# Altium PCB openservo_tessellated.PcbDoc (part 11 of 13)
Units mm, origin at the board's own origin, x right, y up, seen from the top; angles counter-clockwise.
Board outline 225 x 202.5 mm, 2 copper layers (Top Layer, Bottom Layer); 1250 components, 19 nets, 5300 pads, 1100 vias.
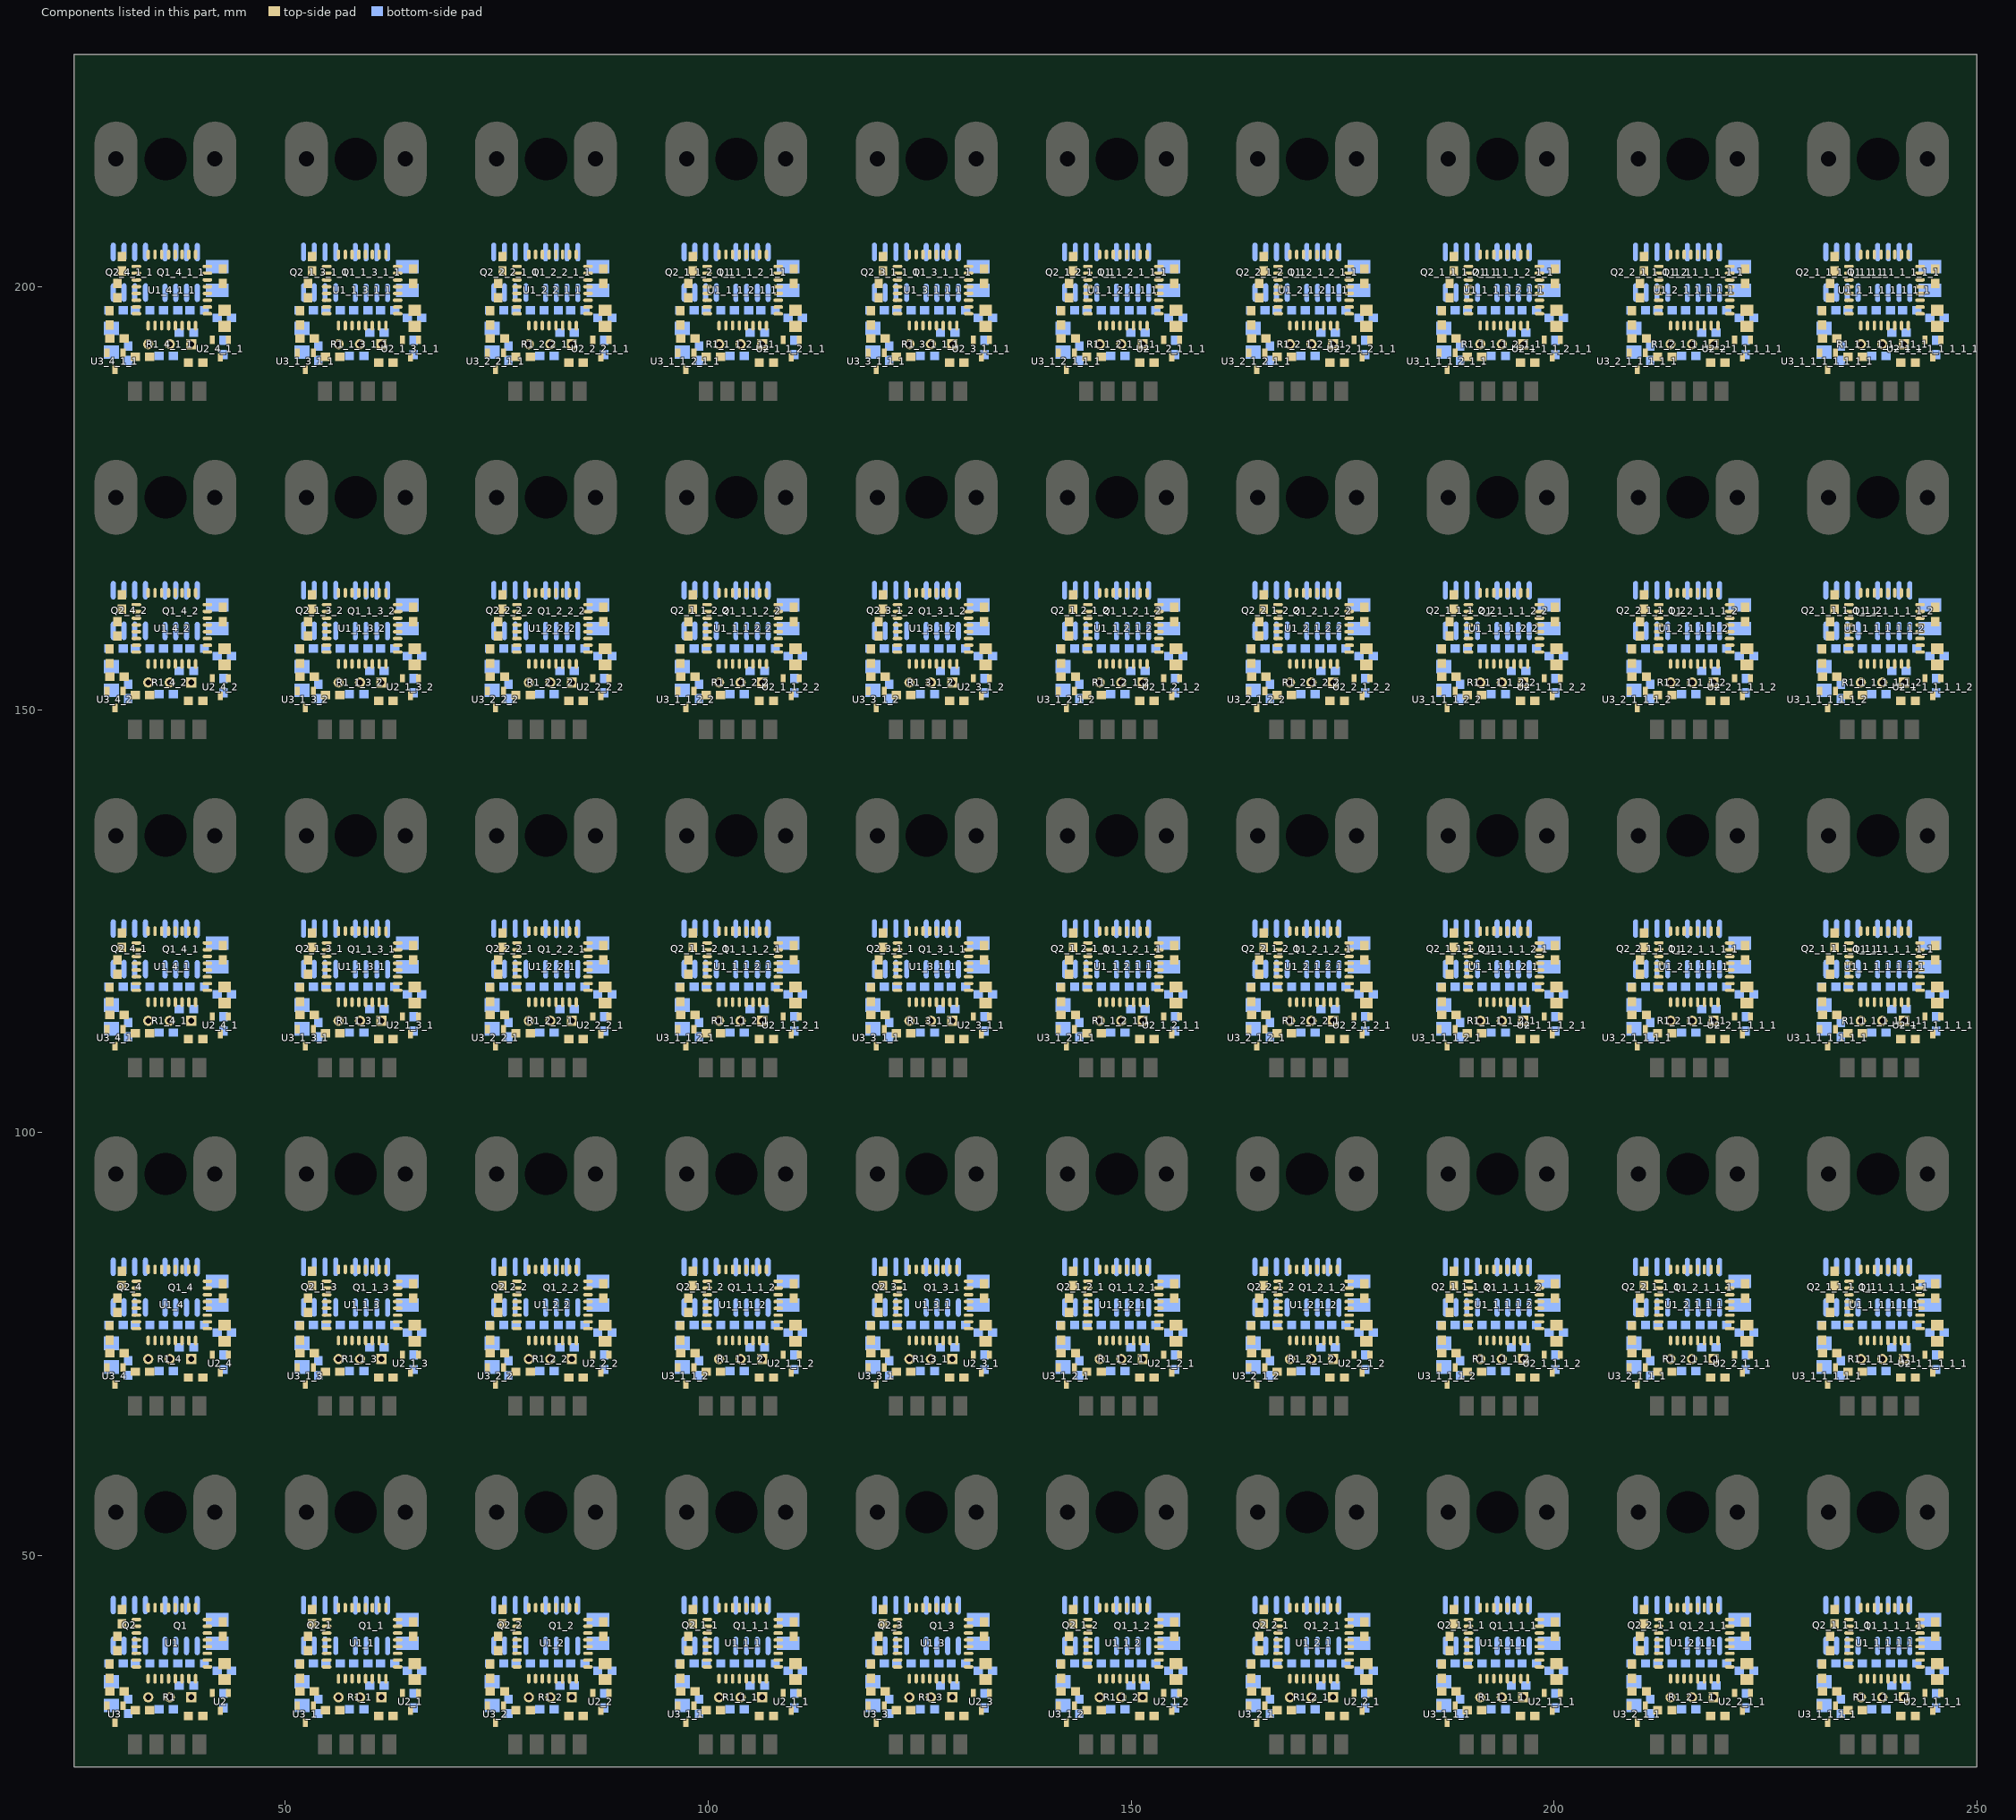
[diagram p11: the components of this part, seen from the top]

## Via types
v1: diameter 0.762, hole 0.35, Top Layer to Bottom Layer, 1000 vias
v2: diameter 1.27, hole 0.7, Top Layer to Bottom Layer, 100 vias

## Nets (pads, with @x,y where several pads share a name; then routed paths per layer and width w, separated by ;. In a path a pad name is that pad's centre, name@x,y a point inside that pad or via, vN(x,y) a via of type N, cw(c..) or ccw(c..) an arc to the next point about the centre after c; other vN are vias at no path point) (continued)
copper on no net: (continued)
  Bottom Layer w0.254: v1(141.354,41.935) 140.658,41.239 140.658,34.123 140.881,33.899 142.996,33.899 143.034,33.937 143.364,33.937 144.893,35.466 149.15,35.466 149.281,35.598 v1@153.026,35.598 ; v1(141.354,81.935) 140.658,81.239 140.658,74.123 140.881,73.899 142.996,73.899 143.034,73.937 143.364,73.937 144.893,75.466 149.15,75.466 149.281,75.598 v1@153.026,75.598 ; v1(141.354,121.935) 140.658,121.239 140.658,114.123 140.881,113.899 142.996,113.899 143.034,113.937 143.364,113.937 144.893,115.466 149.15,115.466 149.281,115.598 v1@153.026,115.598 ; v1(141.354,161.935) 140.658,161.239 140.658,154.123 140.881,153.899 142.996,153.899 143.034,153.937 143.364,153.937 144.893,155.466 149.15,155.466 149.281,155.598 v1@153.026,155.598 ; v1(141.354,201.935) 140.658,201.239 140.658,194.123 140.881,193.899 142.996,193.899 143.034,193.937 143.364,193.937 144.893,195.466 149.15,195.466 149.281,195.598 v1@153.026,195.598 ; 141.622,37.236 142.142,37.756 ; 141.622,77.236 142.142,77.756 ; 141.622,117.236 142.142,117.756 ; 141.622,157.236 142.142,157.756 ; 141.622,197.236 142.142,197.756 ; 141.939,31.445 141.939,32.28 142.659,31.56 ; 141.939,35.08 142.469,35.611 ; 141.939,71.445 141.939,72.28 142.659,71.56 ; 141.939,75.08 142.469,75.611 ; 141.939,111.445 141.939,112.28 142.659,111.56 ; 141.939,115.08 142.469,115.611 ; 141.939,151.445 141.939,152.28 142.659,151.56 ; 141.939,155.08 142.469,155.611 ; 141.939,191.445 141.939,192.28 142.659,191.56 ; 141.939,195.08 142.469,195.611 ; 142.142,39.332 142.142,39.825 143.867,41.551 146.948,41.551 147.455,42.058 147.472,42.058 148.263,42.849 148.263,44.107 ; 142.142,79.332 142.142,79.825 143.867,81.551 146.948,81.551 147.455,82.058 147.472,82.058 148.263,82.849 148.263,84.107 ; 142.142,119.332 142.142,119.825 143.867,121.551 146.948,121.551 147.455,122.058 147.472,122.058 148.263,122.849 148.263,124.107 ; 142.142,159.332 142.142,159.825 143.867,161.551 146.948,161.551 147.455,162.058 147.472,162.058 148.263,162.849 148.263,164.107 ; 142.142,199.332 142.142,199.825 143.867,201.551 146.948,201.551 147.455,202.058 147.472,202.058 148.263,202.849 148.263,204.107 ; 143.322,35.98 v1(143.691,35.611) 143.996,35.916 ; 143.322,37.236 143.412,37.326 ; 143.322,75.98 v1(143.691,75.611) 143.996,75.916 ; 143.322,77.236 143.412,77.326 ; 143.322,115.98 v1(143.691,115.611) 143.996,115.916 ; 143.322,117.236 143.412,117.326 ; 143.322,155.98 v1(143.691,155.611) 143.996,155.916 ; 143.322,157.236 143.412,157.326 ; 143.322,195.98 v1(143.691,195.611) 143.996,195.916 ; 143.322,197.236 143.412,197.326 ; v1(143.463,29.667) 143.767,29.362 146.028,29.362 147.222,28.169 147.222,27.661 ; v1(143.463,69.667) 143.767,69.362 146.028,69.362 147.222,68.169 147.222,67.661 ; v1(143.463,109.667) 143.767,109.362 146.028,109.362 147.222,108.169 147.222,107.661 ; v1(143.463,149.667) 143.767,149.362 146.028,149.362 147.222,148.169 147.222,147.661 ; v1(143.463,189.667) 143.767,189.362 146.028,189.362 147.222,188.169 147.222,187.661 ; 144.682,37.326 144.772,37.236 ; 144.682,39.332 144.682,40.411 145.313,41.043 147.158,41.043 147.665,41.55 148.341,41.55 148.701,41.91 v1(148.847,41.91) ; 144.682,77.326 144.772,77.236 ; 144.682,79.332 144.682,80.411 145.313,81.043 147.158,81.043 147.665,81.55 148.341,81.55 148.701,81.91 v1(148.847,81.91) ; 144.682,117.326 144.772,117.236 ; 144.682,119.332 144.682,120.411 145.313,121.043 147.158,121.043 147.665,121.55 148.341,121.55 148.701,121.91 v1(148.847,121.91) ; 144.682,157.326 144.772,157.236 ; 144.682,159.332 144.682,160.411 145.313,161.043 147.158,161.043 147.665,161.55 148.341,161.55 148.701,161.91 v1(148.847,161.91) ; 144.682,197.326 144.772,197.236 ; 144.682,199.332 144.682,200.411 145.313,201.043 147.158,201.043 147.665,201.55 148.341,201.55 148.701,201.91 v1(148.847,201.91) ; v1(145.012,30.201) 145.926,30.201 146.65,29.477 v1@148.987,29.477 ; v1(145.012,70.201) 145.926,70.201 146.65,69.477 v1@148.987,69.477 ; v1(145.012,110.201) 145.926,110.201 146.65,109.477 v1@148.987,109.477 ; v1(145.012,150.201) 145.926,150.201 146.65,149.477 v1@148.987,149.477 ; v1(145.012,190.201) 145.926,190.201 146.65,189.477 v1@148.987,189.477 ; v1(145.139,34.163) 145.139,34.112 144.384,33.358 144.384,33.26 145.386,32.259 145.859,32.259 146.292,31.826 147.566,31.826 ; v1(145.139,74.163) 145.139,74.112 144.384,73.358 144.384,73.26 145.386,72.259 145.859,72.259 146.292,71.826 147.566,71.826 ; v1(145.139,114.163) 145.139,114.112 144.384,113.358 144.384,113.26 145.386,112.259 145.859,112.259 146.292,111.826 147.566,111.826 ; v1(145.139,154.163) 145.139,154.112 144.384,153.358 144.384,153.26 145.386,152.259 145.859,152.259 146.292,151.826 147.566,151.826 ; v1(145.139,194.163) 145.139,194.112 144.384,193.358 144.384,193.26 145.386,192.259 145.859,192.259 146.292,191.826 147.566,191.826 ; 145.952,37.756 146.472,37.236 ; 145.952,39.332 145.952,39.526 146.023,39.598 ; 145.952,44.132 146.638,43.446 146.638,42.408 v1(146.606,42.376) ; 145.952,77.756 146.472,77.236 ; 145.952,79.332 145.952,79.526 146.023,79.598 ; 145.952,84.132 146.638,83.446 146.638,82.408 v1(146.606,82.376) ; 145.952,117.756 146.472,117.236 ; 145.952,119.332 145.952,119.526 146.023,119.598 ; 145.952,124.132 146.638,123.446 146.638,122.408 v1(146.606,122.376) ; 145.952,157.756 146.472,157.236 ; 145.952,159.332 145.952,159.526 146.023,159.598 ; 145.952,164.132 146.638,163.446 146.638,162.408 v1(146.606,162.376) ; 145.952,197.756 146.472,197.236 ; 145.952,199.332 145.952,199.526 146.023,199.598 ; 145.952,204.132 146.638,203.446 146.638,202.408 v1(146.606,202.376) ; 146.257,33.35 146.257,34.467 146.748,34.958 149.36,34.958 149.492,35.09 149.585,35.09 149.852,34.823 149.852,32.412 149.266,31.826 ; 146.257,73.35 146.257,74.467 146.748,74.958 149.36,74.958 149.492,75.09 149.585,75.09 149.852,74.823 149.852,72.412 149.266,71.826 ; 146.257,113.35 146.257,114.467 146.748,114.958 149.36,114.958 149.492,115.09 149.585,115.09 149.852,114.823 149.852,112.412 149.266,111.826 ; 146.257,153.35 146.257,154.467 146.748,154.958 149.36,154.958 149.492,155.09 149.585,155.09 149.852,154.823 149.852,152.412 149.266,151.826 ; 146.257,193.35 146.257,194.467 146.748,194.958 149.36,194.958 149.492,195.09 149.585,195.09 149.852,194.823 149.852,192.412 149.266,191.826 ; v1(147.273,34.163) 147.28,34.163 147.31,34.133 147.31,34.176 148.136,33.35 148.797,33.35 ; v1(147.273,74.163) 147.28,74.163 147.31,74.133 147.31,74.176 148.136,73.35 148.797,73.35 ; v1(147.273,114.163) 147.28,114.163 147.31,114.133 147.31,114.176 148.136,113.35 148.797,113.35 ; v1(147.273,154.163) 147.28,154.163 147.31,154.133 147.31,154.176 148.136,153.35 148.797,153.35 ; v1(147.273,194.163) 147.28,194.163 147.31,194.133 147.31,194.176 148.136,193.35 148.797,193.35 ; v1(147.298,38.811) 147.171,38.811 147.171,38.9 147.133,38.862 148.263,38.862 ; v1(147.298,78.811) 147.171,78.811 147.171,78.9 147.133,78.862 148.263,78.862 ; v1(147.298,118.811) 147.171,118.811 147.171,118.9 147.133,118.862 148.263,118.862 ; v1(147.298,158.811) 147.171,158.811 147.171,158.9 147.133,158.862 148.263,158.862 ; v1(147.298,198.811) 147.171,198.811 147.171,198.9 147.133,198.862 148.263,198.862 ; 148.074,37.236 148.263,37.426 ; 148.074,77.236 148.263,77.426 ; 148.074,117.236 148.263,117.426 ; 148.074,157.236 148.263,157.426 ; 148.074,197.236 148.263,197.426 ; v1(148.111,30.378) 148.06,30.378 148.035,30.404 148.035,30.455 v1@148.225,30.645 ; v1(148.111,70.378) 148.06,70.378 148.035,70.404 148.035,70.455 v1@148.225,70.645 ; v1(148.111,110.378) 148.06,110.378 148.035,110.404 148.035,110.455 v1@148.225,110.645 ; v1(148.111,150.378) 148.06,150.378 148.035,150.404 148.035,150.455 v1@148.225,150.645 ; v1(148.111,190.378) 148.06,190.378 148.035,190.404 148.035,190.455 v1@148.225,190.645 ; 149.533,37.477 149.774,37.236 ; 149.533,77.477 149.774,77.236 ; 149.533,117.477 149.774,117.236 ; 149.533,157.477 149.774,157.236 ; 149.533,197.477 149.774,197.236 ; 149.762,27.661 149.794,27.661 151.382,29.248 154.677,29.248 v1(155.553,30.124) ; 149.762,67.661 149.794,67.661 151.382,69.248 154.677,69.248 v1(155.553,70.124) ; 149.762,107.661 149.794,107.661 151.382,109.248 154.677,109.248 v1(155.553,110.124) ; 149.762,147.661 149.794,147.661 151.382,149.248 154.677,149.248 v1(155.553,150.124) ; 149.762,187.661 149.794,187.661 151.382,189.248 154.677,189.248 v1(155.553,190.124) ; 150.803,39.307 v1@150.803,41.123 ; 150.803,79.307 v1@150.803,81.123 ; 150.803,119.307 v1@150.803,121.123 ; 150.803,159.307 v1@150.803,161.123 ; 150.803,199.307 v1@150.803,201.123 ; 151.006,37.453 151.223,37.236 ; 151.006,77.453 151.223,77.236 ; 151.006,117.453 151.223,117.236 ; 151.006,157.453 151.223,157.236 ; 151.006,197.453 151.223,197.236 ; 151.337,33.35 151.337,34.608 151.552,34.823 ; 151.337,73.35 151.337,74.608 151.552,74.823 ; 151.337,113.35 151.337,114.608 151.552,114.823 ; 151.337,153.35 151.337,154.608 151.552,154.823 ; 151.337,193.35 151.337,194.608 151.552,194.823 ; 151.653,34.595 151.653,35.584 ; 151.653,74.595 151.653,75.584 ; 151.653,114.595 151.653,115.584 ; 151.653,154.595 151.653,155.584 ; 151.653,194.595 151.653,195.584 ; 152.073,39.307 152.154,39.226 ; 152.073,42.37 152.099,42.396 ; 152.073,79.307 152.154,79.226 ; 152.073,82.37 152.099,82.396 ; 152.073,119.307 152.154,119.226 ; 152.073,122.37 152.099,122.396 ; 152.073,159.307 152.154,159.226 ; 152.073,162.37 152.099,162.396 ; 152.073,199.307 152.154,199.226 ; 152.073,202.37 152.099,202.396 ; 154.168,36.092 154.424,36.347 ; 154.168,76.092 154.424,76.347 ; 154.168,116.092 154.424,116.347 ; 154.168,156.092 154.424,156.347 ; 154.168,196.092 154.424,196.347 ; 156.337,42.396 156.417,42.316 ; 156.337,82.396 156.417,82.316 ; 156.337,122.396 156.417,122.316 ; 156.337,162.396 156.417,162.316 ; 156.337,202.396 156.417,202.316 ; v1(162.813,43.764) 162.635,43.586 162.635,29.972 163.956,28.651 166.547,28.651 167.182,28.016 167.182,27.661 ; v1(162.813,83.764) 162.635,83.586 162.635,69.972 163.956,68.651 166.547,68.651 167.182,68.016 167.182,67.661 ; v1(162.813,123.764) 162.635,123.586 162.635,109.972 163.956,108.651 166.547,108.651 167.182,108.016 167.182,107.661 ; v1(162.813,163.764) 162.635,163.586 162.635,149.972 163.956,148.651 166.547,148.651 167.182,148.016 167.182,147.661 ; v1(162.813,203.764) 162.635,203.586 162.635,189.972 163.956,188.651 166.547,188.651 167.182,188.016 167.182,187.661 ; v1(163.854,41.935) 163.158,41.239 163.158,34.123 163.381,33.899 165.496,33.899 165.534,33.937 165.864,33.937 167.393,35.466 171.65,35.466 171.781,35.598 v1@175.526,35.598 ; v1(163.854,81.935) 163.158,81.239 163.158,74.123 163.381,73.899 165.496,73.899 165.534,73.937 165.864,73.937 167.393,75.466 171.65,75.466 171.781,75.598 v1@175.526,75.598 ; v1(163.854,121.935) 163.158,121.239 163.158,114.123 163.381,113.899 165.496,113.899 165.534,113.937 165.864,113.937 167.393,115.466 171.65,115.466 171.781,115.598 v1@175.526,115.598 ; v1(163.854,161.935) 163.158,161.239 163.158,154.123 163.381,153.899 165.496,153.899 165.534,153.937 165.864,153.937 167.393,155.466 171.65,155.466 171.781,155.598 v1@175.526,155.598 ; v1(163.854,201.935) 163.158,201.239 163.158,194.123 163.381,193.899 165.496,193.899 165.534,193.937 165.864,193.937 167.393,195.466 171.65,195.466 171.781,195.598 v1@175.526,195.598 ; 164.122,37.236 164.642,37.756 ; 164.122,77.236 164.642,77.756 ; 164.122,117.236 164.642,117.756 ; 164.122,157.236 164.642,157.756 ; 164.122,197.236 164.642,197.756 ; 164.439,31.445 164.439,32.28 165.159,31.56 ; 164.439,35.08 164.969,35.611 ; 164.439,71.445 164.439,72.28 165.159,71.56 ; 164.439,75.08 164.969,75.611 ; 164.439,111.445 164.439,112.28 165.159,111.56 ; 164.439,115.08 164.969,115.611 ; 164.439,151.445 164.439,152.28 165.159,151.56 ; 164.439,155.08 164.969,155.611 ; 164.439,191.445 164.439,192.28 165.159,191.56 ; 164.439,195.08 164.969,195.611 ; 164.642,39.332 164.642,39.825 166.367,41.551 169.448,41.551 169.955,42.058 169.972,42.058 170.763,42.849 170.763,44.107 ; 164.642,79.332 164.642,79.825 166.367,81.551 169.448,81.551 169.955,82.058 169.972,82.058 170.763,82.849 170.763,84.107 ; 164.642,119.332 164.642,119.825 166.367,121.551 169.448,121.551 169.955,122.058 169.972,122.058 170.763,122.849 170.763,124.107 ; 164.642,159.332 164.642,159.825 166.367,161.551 169.448,161.551 169.955,162.058 169.972,162.058 170.763,162.849 170.763,164.107 ; 164.642,199.332 164.642,199.825 166.367,201.551 169.448,201.551 169.955,202.058 169.972,202.058 170.763,202.849 170.763,204.107 ; 165.822,35.98 v1(166.191,35.611) 166.496,35.916 ; 165.822,37.236 165.912,37.326 ; 165.822,75.98 v1(166.191,75.611) 166.496,75.916 ; 165.822,77.236 165.912,77.326 ; 165.822,115.98 v1(166.191,115.611) 166.496,115.916 ; 165.822,117.236 165.912,117.326 ; 165.822,155.98 v1(166.191,155.611) 166.496,155.916 ; 165.822,157.236 165.912,157.326 ; 165.822,195.98 v1(166.191,195.611) 166.496,195.916 ; 165.822,197.236 165.912,197.326 ; v1(165.963,29.667) 166.267,29.362 168.528,29.362 169.722,28.169 169.722,27.661 ; v1(165.963,69.667) 166.267,69.362 168.528,69.362 169.722,68.169 169.722,67.661 ; v1(165.963,109.667) 166.267,109.362 168.528,109.362 169.722,108.169 169.722,107.661 ; v1(165.963,149.667) 166.267,149.362 168.528,149.362 169.722,148.169 169.722,147.661 ; v1(165.963,189.667) 166.267,189.362 168.528,189.362 169.722,188.169 169.722,187.661 ; 167.182,37.326 167.272,37.236 ; 167.182,39.332 167.182,40.411 167.813,41.043 169.658,41.043 170.165,41.55 170.841,41.55 171.201,41.91 v1(171.347,41.91) ; 167.182,77.326 167.272,77.236 ; 167.182,79.332 167.182,80.411 167.813,81.043 169.658,81.043 170.165,81.55 170.841,81.55 171.201,81.91 v1(171.347,81.91) ; 167.182,117.326 167.272,117.236 ; 167.182,119.332 167.182,120.411 167.813,121.043 169.658,121.043 170.165,121.55 170.841,121.55 171.201,121.91 v1(171.347,121.91) ; 167.182,157.326 167.272,157.236 ; 167.182,159.332 167.182,160.411 167.813,161.043 169.658,161.043 170.165,161.55 170.841,161.55 171.201,161.91 v1(171.347,161.91) ; 167.182,197.326 167.272,197.236 ; 167.182,199.332 167.182,200.411 167.813,201.043 169.658,201.043 170.165,201.55 170.841,201.55 171.201,201.91 v1(171.347,201.91) ; v1(167.512,30.201) 168.426,30.201 169.15,29.477 v1@171.487,29.477 ; v1(167.512,70.201) 168.426,70.201 169.15,69.477 v1@171.487,69.477 ; v1(167.512,110.201) 168.426,110.201 169.15,109.477 v1@171.487,109.477 ; v1(167.512,150.201) 168.426,150.201 169.15,149.477 v1@171.487,149.477 ; v1(167.512,190.201) 168.426,190.201 169.15,189.477 v1@171.487,189.477 ; v1(167.639,34.163) 167.639,34.112 166.884,33.358 166.884,33.26 167.886,32.259 168.359,32.259 168.792,31.826 170.066,31.826 ; v1(167.639,74.163) 167.639,74.112 166.884,73.358 166.884,73.26 167.886,72.259 168.359,72.259 168.792,71.826 170.066,71.826 ; v1(167.639,114.163) 167.639,114.112 166.884,113.358 166.884,113.26 167.886,112.259 168.359,112.259 168.792,111.826 170.066,111.826 ; v1(167.639,154.163) 167.639,154.112 166.884,153.358 166.884,153.26 167.886,152.259 168.359,152.259 168.792,151.826 170.066,151.826 ; v1(167.639,194.163) 167.639,194.112 166.884,193.358 166.884,193.26 167.886,192.259 168.359,192.259 168.792,191.826 170.066,191.826 ; 168.452,37.756 168.972,37.236 ; 168.452,39.332 168.452,39.526 168.523,39.598 ; 168.452,44.132 169.138,43.446 169.138,42.408 v1(169.106,42.376) ; 168.452,77.756 168.972,77.236 ; 168.452,79.332 168.452,79.526 168.523,79.598 ; 168.452,84.132 169.138,83.446 169.138,82.408 v1(169.106,82.376) ; 168.452,117.756 168.972,117.236 ; 168.452,119.332 168.452,119.526 168.523,119.598 ; 168.452,124.132 169.138,123.446 169.138,122.408 v1(169.106,122.376) ; 168.452,157.756 168.972,157.236 ; 168.452,159.332 168.452,159.526 168.523,159.598 ; 168.452,164.132 169.138,163.446 169.138,162.408 v1(169.106,162.376) ; 168.452,197.756 168.972,197.236 ; 168.452,199.332 168.452,199.526 168.523,199.598 ; 168.452,204.132 169.138,203.446 169.138,202.408 v1(169.106,202.376) ; 168.757,33.35 168.757,34.467 169.248,34.958 171.86,34.958 171.992,35.09 172.085,35.09 172.352,34.823 172.352,32.412 171.766,31.826 ; 168.757,73.35 168.757,74.467 169.248,74.958 171.86,74.958 171.992,75.09 172.085,75.09 172.352,74.823 172.352,72.412 171.766,71.826 ; 168.757,113.35 168.757,114.467 169.248,114.958 171.86,114.958 171.992,115.09 172.085,115.09 172.352,114.823 172.352,112.412 171.766,111.826 ; 168.757,153.35 168.757,154.467 169.248,154.958 171.86,154.958 171.992,155.09 172.085,155.09 172.352,154.823 172.352,152.412 171.766,151.826 ; 168.757,193.35 168.757,194.467 169.248,194.958 171.86,194.958 171.992,195.09 172.085,195.09 172.352,194.823 172.352,192.412 171.766,191.826 ; v1(169.773,34.163) 169.78,34.163 169.81,34.133 169.81,34.176 170.636,33.35 171.297,33.35 ; v1(169.773,74.163) 169.78,74.163 169.81,74.133 169.81,74.176 170.636,73.35 171.297,73.35 ; v1(169.773,114.163) 169.78,114.163 169.81,114.133 169.81,114.176 170.636,113.35 171.297,113.35 ; v1(169.773,154.163) 169.78,154.163 169.81,154.133 169.81,154.176 170.636,153.35 171.297,153.35 ; v1(169.773,194.163) 169.78,194.163 169.81,194.133 169.81,194.176 170.636,193.35 171.297,193.35 ; v1(169.798,38.811) 169.671,38.811 169.671,38.9 169.633,38.862 170.763,38.862 ; v1(169.798,78.811) 169.671,78.811 169.671,78.9 169.633,78.862 170.763,78.862 ; v1(169.798,118.811) 169.671,118.811 169.671,118.9 169.633,118.862 170.763,118.862 ; v1(169.798,158.811) 169.671,158.811 169.671,158.9 169.633,158.862 170.763,158.862 ; v1(169.798,198.811) 169.671,198.811 169.671,198.9 169.633,198.862 170.763,198.862 ; 170.574,37.236 170.763,37.426 ; 170.574,77.236 170.763,77.426 ; 170.574,117.236 170.763,117.426 ; 170.574,157.236 170.763,157.426 ; 170.574,197.236 170.763,197.426 ; v1(170.611,30.378) 170.56,30.378 170.535,30.404 170.535,30.455 v1@170.725,30.645 ; v1(170.611,70.378) 170.56,70.378 170.535,70.404 170.535,70.455 v1@170.725,70.645 ; v1(170.611,110.378) 170.56,110.378 170.535,110.404 170.535,110.455 v1@170.725,110.645 ; v1(170.611,150.378) 170.56,150.378 170.535,150.404 170.535,150.455 v1@170.725,150.645 ; v1(170.611,190.378) 170.56,190.378 170.535,190.404 170.535,190.455 v1@170.725,190.645 ; 172.033,37.477 172.274,37.236 ; 172.033,77.477 172.274,77.236 ; 172.033,117.477 172.274,117.236 ; 172.033,157.477 172.274,157.236 ; 172.033,197.477 172.274,197.236 ; 172.262,27.661 172.294,27.661 173.882,29.248 177.177,29.248 v1(178.053,30.124) ; 172.262,67.661 172.294,67.661 173.882,69.248 177.177,69.248 v1(178.053,70.124) ; 172.262,107.661 172.294,107.661 173.882,109.248 177.177,109.248 v1(178.053,110.124) ; 172.262,147.661 172.294,147.661 173.882,149.248 177.177,149.248 v1(178.053,150.124) ; 172.262,187.661 172.294,187.661 173.882,189.248 177.177,189.248 v1(178.053,190.124) ; 173.303,39.307 v1@173.303,41.123 ; 173.303,79.307 v1@173.303,81.123 ; 173.303,119.307 v1@173.303,121.123 ; 173.303,159.307 v1@173.303,161.123 ; 173.303,199.307 v1@173.303,201.123 ; 173.506,37.453 173.723,37.236 ; 173.506,77.453 173.723,77.236 ; 173.506,117.453 173.723,117.236 ; 173.506,157.453 173.723,157.236 ; 173.506,197.453 173.723,197.236 ; 173.837,33.35 173.837,34.608 174.052,34.823 ; 173.837,73.35 173.837,74.608 174.052,74.823 ; 173.837,113.35 173.837,114.608 174.052,114.823 ; 173.837,153.35 173.837,154.608 174.052,154.823 ; 173.837,193.35 173.837,194.608 174.052,194.823 ; 174.153,34.595 174.153,35.584 ; 174.153,74.595 174.153,75.584 ; 174.153,114.595 174.153,115.584 ; 174.153,154.595 174.153,155.584 ; 174.153,194.595 174.153,195.584 ; 174.573,39.307 174.654,39.226 ; 174.573,42.37 174.599,42.396 ; 174.573,79.307 174.654,79.226 ; 174.573,82.37 174.599,82.396 ; 174.573,119.307 174.654,119.226 ; 174.573,122.37 174.599,122.396 ; 174.573,159.307 174.654,159.226 ; 174.573,162.37 174.599,162.396 ; 174.573,199.307 174.654,199.226 ; 174.573,202.37 174.599,202.396 ; 176.668,36.092 176.924,36.347 ; 176.668,76.092 176.924,76.347 ; 176.668,116.092 176.924,116.347 ; 176.668,156.092 176.924,156.347 ; 176.668,196.092 176.924,196.347 ; 178.837,42.396 178.917,42.316 ; 178.837,82.396 178.917,82.316 ; 178.837,122.396 178.917,122.316 ; 178.837,162.396 178.917,162.316 ; 178.837,202.396 178.917,202.316 ; v1(185.313,43.764) 185.135,43.586 185.135,29.972 186.456,28.651 189.047,28.651 189.682,28.016 